# Altium PCB EPS_V2.PcbDoc (part 2 of 4) (continued)
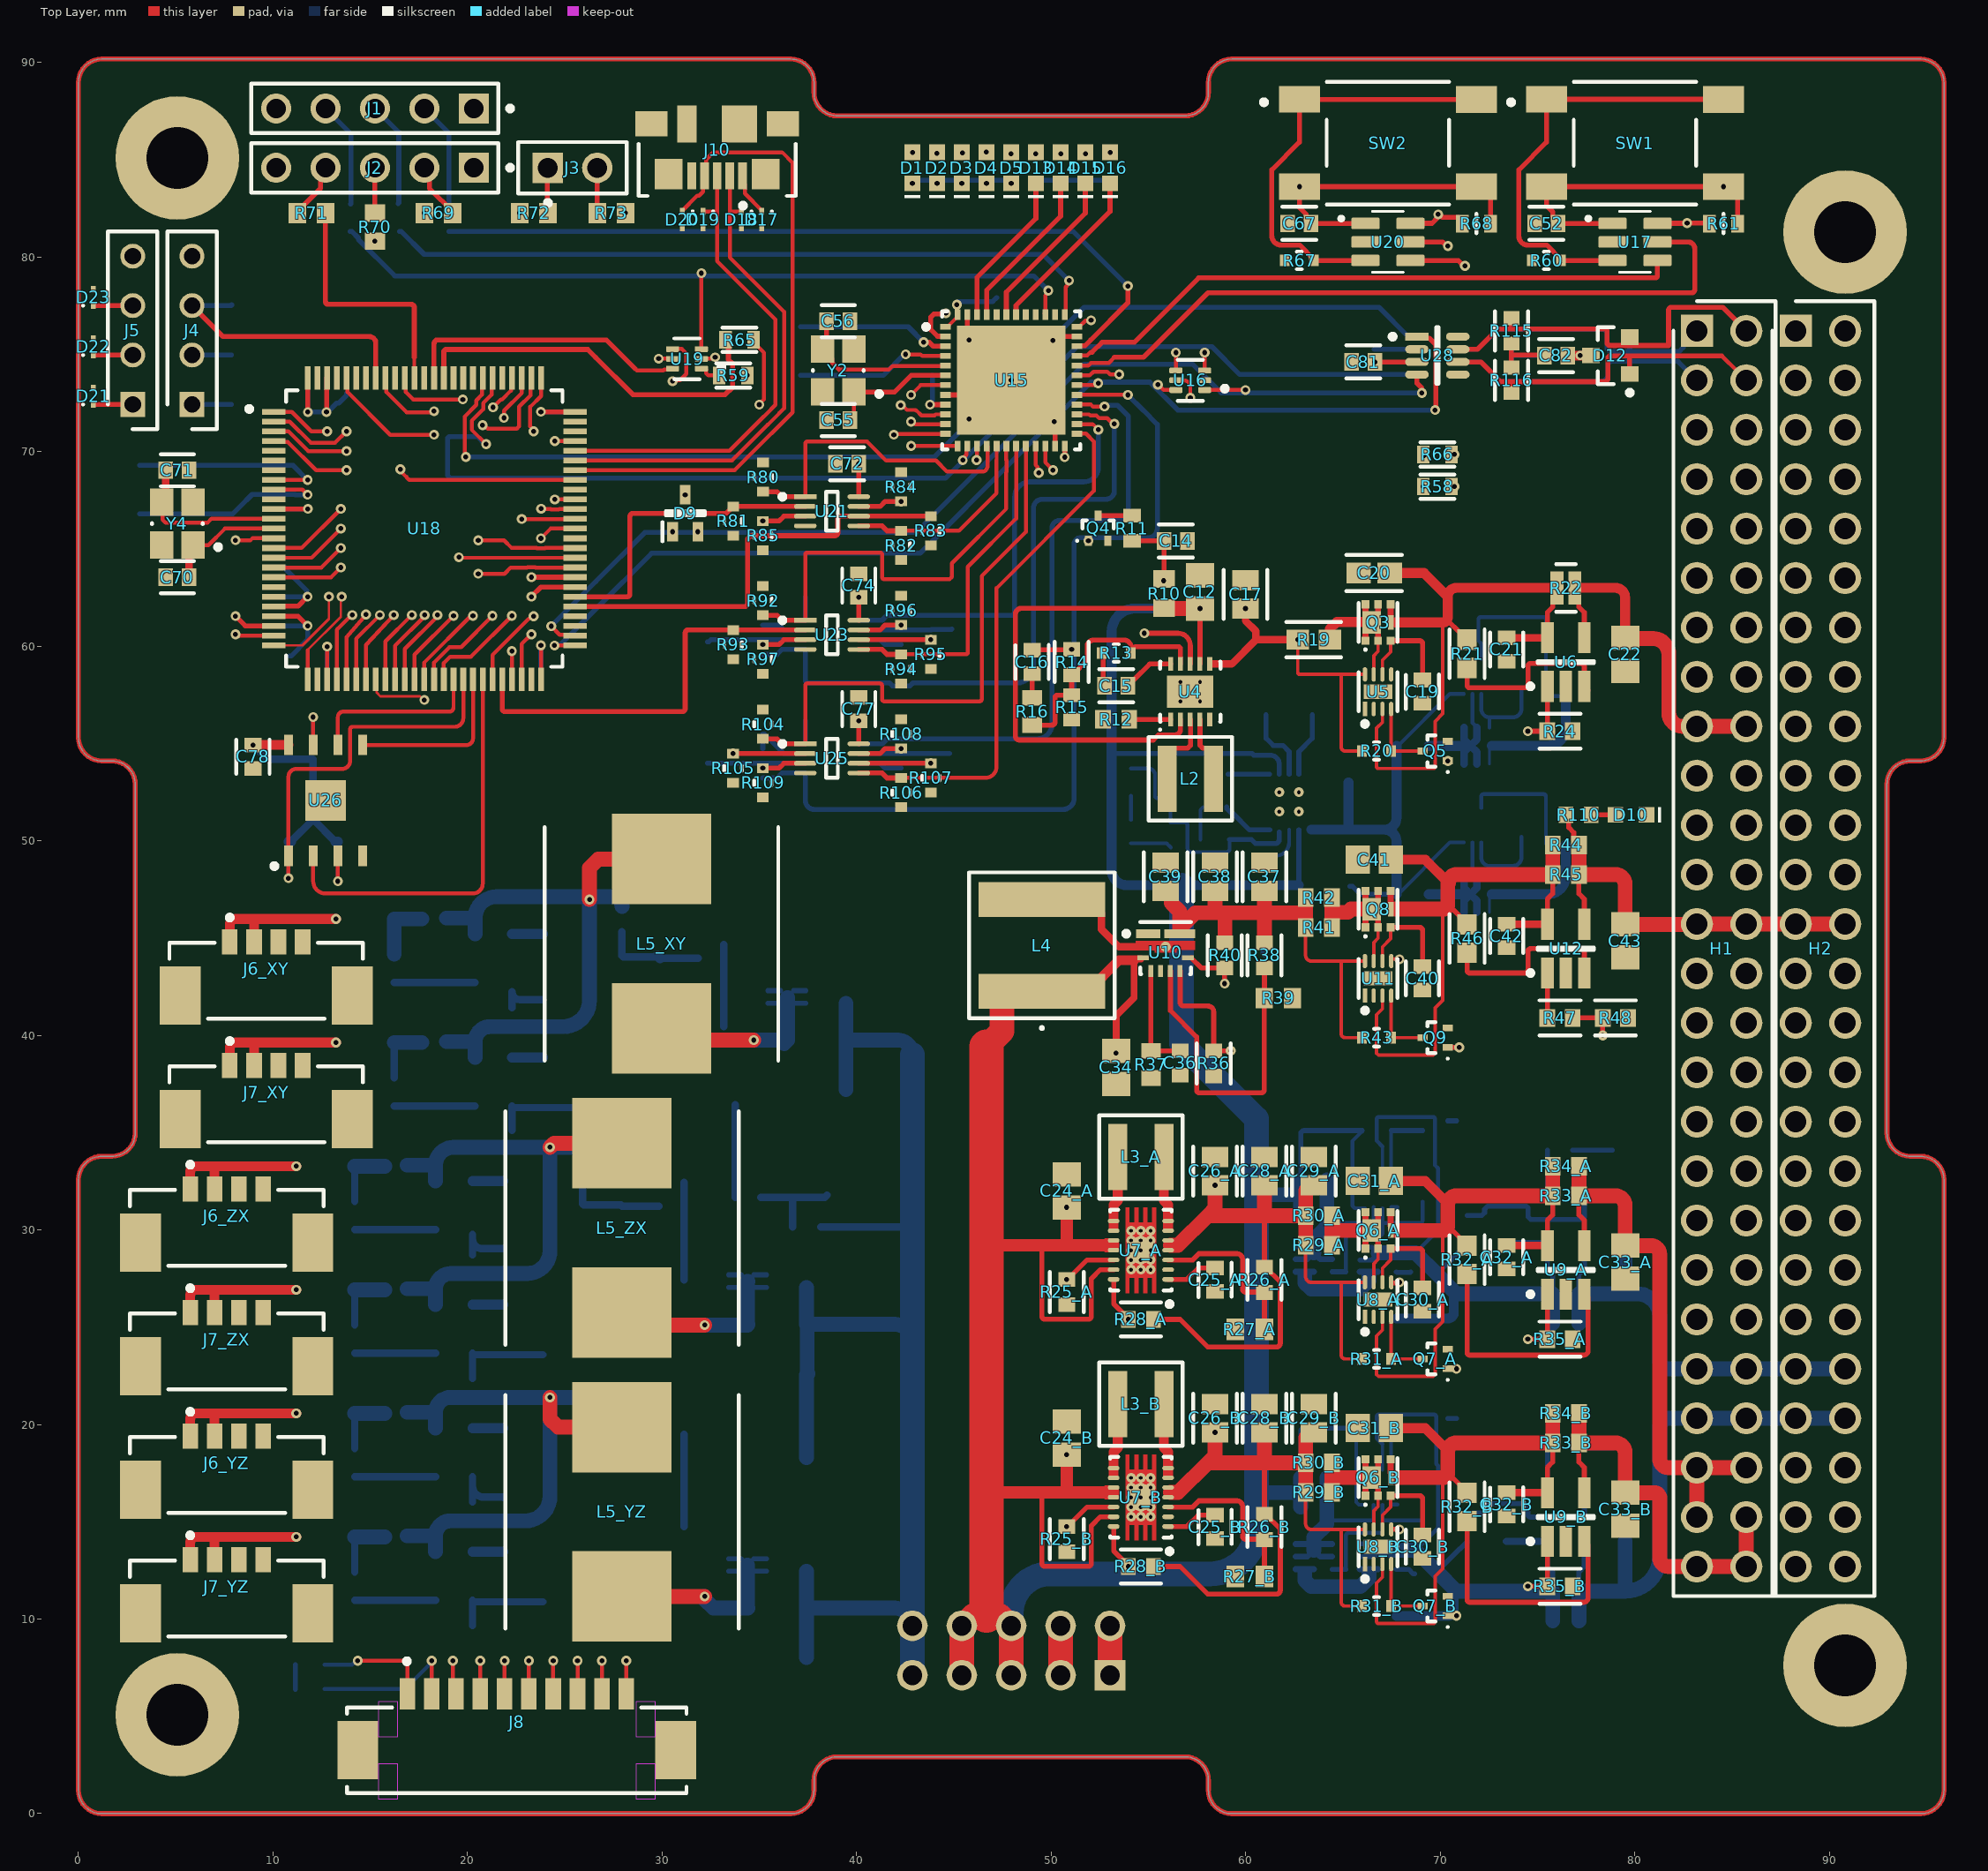
[diagram p0: Top Layer view]
## Part data (continued)
R7: library part CMP-26527-000571-1, "General Purpose Thick Film Chip Resistor, 0603, 0.5Ω, 1%, 300ppm/°C, 0.125W", Case Code (Imperial)=0603, Case Code (Metric)=1608, Max Operating Temperature=155°C, Max Power Dissipation=125mW, Min Operating Temperature=-55°C, Resistance=500mR, Resistor Type="Thick Film", Temperature Coefficient=300ppm/°C, Tolerance=1%, Case/Package=0603, Contact Plating=Tin, Height=0.022inch, Lead Free="Lead Free", Length=0.063inch, Mount="Surface Mount", Number of Terminations=2, Packaging="Tape and Reel", Power Rating=125mW, RoHS Compliant=Yes, Series=CSR, Size Code=0603, Width=0.031inch
R8: library part CMP-26527-001850-1, "General Purpose Thick Film Chip Resistor, 0603, 0.25Ω, 1%, 300ppm/°C, 0.125W", Case Code (Imperial)=0603, Case Code (Metric)=1608, Max Operating Temperature=155°C, Max Power Dissipation=125mW, Min Operating Temperature=-55°C, Resistance=250mR, Resistor Type="Thick Film", Temperature Coefficient=300ppm/°C, Tolerance=1%, Case/Package=0603, Contact Plating=Tin, Height=0.022inch, Lead Free="Lead Free", Length=0.063inch, Mount="Surface Mount", Number of Terminations=2, Packaging="Tape and Reel", RoHS Compliant=Yes, Series=CSR, Width=0.031inch
R11: library part CMP-2000-01849-1, Manufacturer="KOA Speer", Part Number=RK73B1JTTD101J
R15: library part CMP-2000-00577-1, Manufacturer=Panasonic, Part Number=ERJ-3EKF5763V
R16: library part CMP-2000-01876-1, Manufacturer="KOA Speer", Part Number=RK73B1JTTD153J
R19: library part CMP-26527-003125-1, "General Purpose Thick Film Chip Resistor, 0603, 0.2Ω, 1%, 300ppm/°C, 0.125W", Case Code (Imperial)=0603, Case Code (Metric)=1608, Max Operating Temperature=155°C, Max Power Dissipation=125mW, Min Operating Temperature=-55°C, Resistance=200mR, Resistor Type="Thick Film", Temperature Coefficient=300ppm/°C, Tolerance=1%, Case/Package=0603, Contact Plating=Tin, Height=0.022inch, Lead Free="Lead Free", Length=0.063inch, Mount="Surface Mount", Number of Terminations=2, Packaging="Tape and Reel", Radiation Hardening=No, RoHS Compliant=Yes, Series=CSR, Width=0.031inch
R21 R32_A R32_B R46 R53_M R53_N R117_XY R117_YZ R117_ZX R120_XY R120_YZ R120_ZX: library part CMP-2000-00870-2, "RES SMD 100 OHM 0.1% 1/10W 0603", Case Code (Imperial)=0603, Case Code (Metric)=1608, Max Operating Temperature=155°C, Max Power Dissipation=100mW, Min Operating Temperature=-55°C, Package Quantity=5000, Resistance=100R, Resistance Tolerance=0.1%, Resistor Type="Thin Film", Temperature Coefficient=25ppm/°C, Voltage Rating=75V, Case/Package=0603, Construction=Rectangular, Contact Plating=Tin, Depth=0.8mm, Height=0.45mm, Length=1.6mm, Military Standard=Not, Mount="Surface Mount", Number of Pins=2, Number of Terminations=2, Packaging="Tape and Reel", Power Rating=100mW, Radiation Hardening=No, REACH SVHC="No SVHC", RoHS Compliant=Yes, Series=ERA-3A, Size Code=0603, Technology="METAL FILM", Termination=SMD/SMT, Tolerance=0.1%, Width=0.8mm
R22 R118_XY R118_YZ R118_ZX R121_XY R121_YZ R121_ZX: library part CMP-28537-000948-1, "25 mOhms ±1% 0.33W Chip Resistor Wide 0306 (0816 Metric), Current Sense Thin Film", Case Code (Imperial)=0306, Case Code (Metric)=0816, Package Quantity=1000, Power Rating=330mW, Resistance=25mR, Temperature Coefficient=200ppm/°C, Tolerance=1%, Height=0.4mm, Length=1.6mm, Packaging="Tape and Reel", RoHS Compliant=Yes, Series=PRL, Technology="THIN FILM", Termination=SMD/SMT, Width=0.8mm
R24 R35_A R35_B R47 R48 R56_M R56_N R57_M R57_N R119_XY R119_YZ R119_ZX R122_XY R122_YZ R122_ZX: library part CMP-2000-00077-5, "RES SMD 4.99KOHM 0.1% 1/10W 0603", Case Code (Imperial)=0603, Case Code (Metric)=1608, Max Operating Temperature=155°C, Max Power Dissipation=100mW, Min Operating Temperature=-55°C, Package Quantity=5000, Resistance=4.99kR, Resistance Tolerance=0.1%, Resistor Type="Thin Film", Temperature Coefficient=25ppm/°C, Voltage Rating=150V, Voltage Rating (DC)=75V, Case/Package=0603, Construction=Rectangular, Contact Plating=Tin, Depth=0.8mm, Features="Automotive AEC-Q200", Height=0.45mm, Lead Free="Lead Free", Length=1.6mm, Military Standard=Not, Mount="Surface Mount", Number of Pins=2, Number of Terminations=2, Packaging="Tape and Reel", Power Rating=100mW, Radiation Hardening=No, Reach SVHC Compliant=Yes, RoHS Compliant=Yes, Series=ERA, Technology="METAL FILM", Termination=SMD/SMT, Tolerance=0.1%, Weight=7.1E-05oz, Width=0.8mm
R27_A R27_B: library part CMP-2000-01245-1, Manufacturer="KOA Speer", Part Number=RK73H1JTTD1803F
R29_A R29_B R30_A R30_B R33_A R33_B R34_A R34_B R41 R42 R44 R45 R49_M R49_N R50_M R50_N R54_M R54_N R55_M R55_N: library part CMP-2000-00867-1, Manufacturer=Panasonic, Part Number=ERJ-L03KF50MV
R37: library part CMP-2000-01698-1, Manufacturer="KOA Speer", Part Number=RK73H1JTTD8252F
R39: library part CMP-2000-00442-1, Manufacturer=Panasonic, Part Number=ERJ-3EKF3323V
R58 R59 R65 R66: library part CMP-00287-21317759-1, "ERJ-P03F1000V SMD Chip Resistor, 100 Ohm, ± 1%, 200 mW, 0603 [1608 Metric], Thick Film, Anti-Surge", Case Code (Imperial)=0603, Case Code (Metric)=1608, Max Operating Temperature=155°C, Min Operating Temperature=-55°C, Power Rating=200mW, Resistance=100Ω, Temperature Coefficient=200ppm/°C, Tolerance=1%, Voltage Rating=150V, Case/Package=0603, Composition="Thick Film", Contact Plating=Tin, Depth=800µm, Height=550µm, Length=1.6mm, Lifecycle Status=Production, Military Standard=Not, Mount="Surface Mount", NexarPartId=21317759, Number of Pins=2, Packaging="Cut Tape", Radiation Hardening=No, REACH SVHC="No SVHC", RoHS=Compliant, Schedule B="8533210045, 8533210045", Termination=Tab, Voltage Rating (DC)=150V
R61 R68 R111 R112 R124_XY R124_YZ R124_ZX R126 R127: library part CMP-2000-00875-2, Case Code (Imperial)=0603, Case Code (Metric)=1608, Max Operating Temperature=155°C, Max Power Dissipation=100mW, Min Operating Temperature=-55°C, Resistance=100kΩ, Temperature Coefficient=25ppm/°C, Tolerance=0.1%, Voltage Rating=75V, Case/Package=0603, Composition="Thin Film", Contact Plating=Tin, Depth=800µm, Features="Automotive AEC-Q200", Height=450µm, Lead Free="Lead Free", Length=1.6mm, Lifecycle Status=Production, Military Standard=Not, Mount="Surface Mount", NexarPartId=1243428, Number of Pins=2, Number of Terminations=2, Packaging="Cut Tape", Power Rating=100mW, Radiation Hardening=No, REACH SVHC="No SVHC", RoHS=Compliant, Schedule B="8533210045, 8533210045", Termination=SMD/SMT, Voltage Rating (DC)=75V, Width=800µm, Working Voltage=75V
R62 R63 R64 R69 R70 R71 R72 R73: library part CMP-2000-00538-1, Manufacturer=Panasonic, Part Number=ERJ-3EKF49R9V
R74 R75 R76 R77 R78 R110 R117 R118 R119 R120: library part CMP-2000-00435-2, "Chip Resistor, 330 Ohm, +/- 1%, 0.1 W, -55 to 155 degC, 0603 (1608 Metric), RoHS, Tape and Reel", Current Rating="500 mA", Max Operating Temperature="85 degC", Min Operating Temperature="-25 degC", Package Quantity=1500, Voltage Rating="10 V", ComponentLink1Description="Manufacturer URL", ComponentLink1URL=http://www.panasonic.com/, ComponentLink2Description=Datasheet, ComponentLink2URL=http://industrial.panasonic.com/cdbs/www-data/pdf/RDA0000/AOA0000C86.pdf, Contact Finish=Gold, Contact Material=Copper, Contact Plating=Gold, DatasheetVersion=Apr-15, Gender=Male, Height="1.45 mm", Lead Pitch="1.1 mm", Length="13.7 mm", Mating Cycles=10000, Mount="Surface Mount", PackageDescription="2-Pin Surface Mount Device, Body 1.6 x 0.85 mm", PackageReference=0603, Packaging="Tape and Reel", Pins=8, REACH SVHC="No SVHC", RoHSCompliant=true, Width="1.45 mm"
R113 R114 R115 R116: library part CMP-13261-005441-1, "Res Thick Film 0603 60.4Ω 1% 0.1W ±100ppm/°C Molded SMD T/R", Case Code (Imperial)=0603, Case Code (Metric)=1608, Max Operating Temperature=155°C, Max Power Dissipation=100mW, Min Operating Temperature=-55°C, Resistance=60.4R, Temperature Coefficient=100ppm/°C, Tolerance=1%, Voltage Rating (DC)=50V, Case/Package=0603, Composition="Thick Film", Contact Plating=Tin, Depth=0.8mm, Features="Moisture Resistant", Height=0.022inch, Lead Free="Lead Free", Length=0.063inch, Military Standard=Not, Number of Terminations=2, Packaging="Tape and Reel", Power Rating=100mW, Radiation Hardening=No, Width=0.031inch
R123_XY R123_YZ R123_ZX: library part CMP-2000-00690-5, "RES SMD 93.1K OHM 1% 1/10W 0603", Case Code (Imperial)=0603, Case Code (Metric)=1608, Max Operating Temperature=155°C, Max Power Dissipation=100mW, Min Operating Temperature=-55°C, Package Quantity=1, Resistance=93.1kR, Resistance Tolerance=1%, Resistor Type="Thick Film", Temperature Coefficient=100ppm/°C, Voltage Rating=75V, Voltage Rating (DC)=50V, Case/Package=0603, Construction=Rectangular, Contact Plating=Tin, Depth=0.8mm, Features="Automotive AEC-Q200", Height=0.022inch, Lead Free="Lead Free", Length=1.6mm, Military Standard=Not, Mount="Surface Mount", Number of Terminations=2, Packaging="Tape and Reel", Power Rating=100mW, Radiation Hardening=No, Reach SVHC Compliant=Yes, RoHS Compliant=Yes, Series=ERJ, Termination=SMD/SMT, Tolerance=1%, Weight=7.1E-05oz, Width=0.8mm
R125: library part CMP-2000-00414-2, Case Code (Imperial)=0603, Case Code (Metric)=1608, Max Operating Temperature=155°C, Max Power Dissipation=100mW, Min Operating Temperature=-55°C, Resistance=300kΩ, Temperature Coefficient=100ppm/°C, Tolerance=1%, Voltage Rating=75V, Case/Package=0603, Composition="Thick Film", Contact Plating=Tin, Depth=800µm, Features="Automotive AEC-Q200", Height=558.8µm, Lead Free="Lead Free", Length=1.6mm, Lifecycle Status=Production, Military Standard=Not, Mount="Surface Mount", NexarPartId=41621939, Number of Terminations=2, Packaging="Cut Tape", Power Rating=100mW, Radiation Hardening=No, REACH SVHC="No SVHC", RoHS=Compliant, Schedule B="8533210045, 8533210045", Termination=SMD/SMT, Voltage Rating (DC)=75V, Width=787.4µm
SW1 SW2: library part CMP-03402-000003-1, "SWITCH TACTILE SPST-NO 0.05A 24V", Contact Current Rating=50mA, Contact Resistance=100mΩ, Manufacturer="TE Connectivity", Operating Force=260gf, Package=0, Temperature="-35°C to +85°C", Temperature Range High=+85°C, Temperature Range Low=-35°C, Voltage Rating Dc=24V, Automotive=No, Category=Switch, ComponentLink2Description=Datasheet, ComponentLink2URL=https://www.te.com/commerce/DocumentDelivery/DDEController?Action=showdoc&DocId=Customer+Drawing%7F2-1437565-7%7FV%7Fpdf%7FEnglish%7FENG_CD_2-1437565-7_V.pdf%7F2-1437565-8, Device Class L1=Electromechanical, Device Class L2=Switches, Device Class L3="Pushbutton Switches", Digikey Description="SWITCH TACTILE SPST-NO 0.05A 24V", Electromechanical Life=100000Cycles, Height=4.59mm, Lead Free=Yes, Manufacturer Part Number=FSM2JSMAA, Mount="Surface Mount", Mouser Description="Tactile Switches TACTILE 260G FORCE S", Octopart=https://octopart.com/fsm2jsmaa-te+connectivity-41720620, RoHS=TRUE, Standoff Height=0.05mm, Throw Configuration=SPST-NO
U1 U4: library part CMP-0492-00076-1, "Wide Input Voltage Synchronous Buck-Boost DC/DC Converter, 10-pin SON (DD-10), -40 to 85 degC, Pb-Free", Frequency Adjust Range="300kHz - 2MHz", Manufacturer="Linear Technology", Code_JEDEC=MO-229, ComponentLink1Description="Manufacturer URL", ComponentLink1URL=http://www.linear.com/, ComponentLink2Description=Datasheet, ComponentLink2URL=http://cds.linear.com/docs/en/datasheet/3530fb.pdf, ComponentLink3Description="Package Specification", ComponentLink3URL=http://cds.linear.com/docs/en/packaging/DFN_10_05-08-1699.pdf, DatasheetVersion="Rev. B", Mounting Technology="Surface Mount", Number Of Outputs=1, PackageDescription="10-Pin Plastic DFN, Body 3 x 3 mm, Pitch 0.5 mm", PackageReference=DD-10, PackageVersion="Rev. C, 06/2010", PartNumber=LTC3530EDD#PBF, RoHS=TRUE
U2 U3 U5 U8_A U8_B U11 U13_M U13_N: library part CMP-0474-00015-2, "IC OVP/OCP PROTECTION CTLR 8DFN", Case/Package=DFN, Package Quantity=2500, Number of Circuits=1, Number of Pins=8, Packaging="Tape and Reel", RoHS Compliant=Yes
U6 U9_A U9_B U12 U14_M U14_N U29_XY U29_YZ U29_ZX U30_XY U30_YZ U30_ZX: library part CMP-0359-01984-2, "Single Channel, Low Cost, High Side Current Sense Operational Amplifier, 0.2 MHz Typical GBW, 5-Pin SOT-23 (S5-5), High Temperature / Automotive, Pb-Free, Reel", Linear Technology Part Number=LT6106, Manufacturer="Linear Technology", Channels (#)=1, Code_JEDEC=MO-193, ComponentLink1Description="Manufacturer URL", ComponentLink1URL=http://www.linear.com/, ComponentLink2Description=Datasheet, ComponentLink2URL=http://cds.linear.com/docs/en/datasheet/6106fa.pdf, ComponentLink3Description="Package Specification", ComponentLink3URL=http://cds.linear.com/docs/en/packaging/SOT_5_05-08-1635.pdf, DatasheetVersion="Rev. A", GBW (MHz) Typical=0.2, Is (mA) Typical=0.06, Mounting Technology="Surface Mount", PackageDescription="5-Lead Plastic TSOT-23, Body 1.63 x 2.90 mm, Pitch 0.95 mm", PackageReference=LT-S5-5-TSOT-23, Packing=Reel, PartNumber=LT6106HS5#TRPBF, RevisionNote="URLs updated", RoHS=Pb-Free, Type=CSA, Vos (mV) Guaranteed=0.25, Vos (mV) Typical=0.15, Vs Max (V)=36, Vs Min (V)=2.7
U7_A U7_B: library part CMP-04918-000114-1, "IC REG BCK BST ADJ 3.5A 14VSON", Manufacturer="Texas Instruments", Max Junction Temp=+125°C, Max Supply Voltage=5.5V, Min Supply Voltage=1.8V, Nominal Supply Current=5-25uA, Output Current=2A, Output Voltage=1.2-5.5V, Package=DSJ0014A, Switching Frequency=2400kHz, Temperature="-40°C to +125°C", Temperature Range Low=-40°C, Automotive=Yes, Automotive Grade="Grade 1", Category=IC, ComponentLink2Description=Datasheet, ComponentLink2URL=http://www.ti.com/lit/ds/symlink/tps63020-q1.pdf, Device Class L1="Integrated Circuits (ICs)", Device Class L2="Power Management ICs", Device Class L3="Voltage Regulators - Switching", Digikey Description="IC REG BCK BST ADJ 3.5A 14VSON", Height=1mm, Lead Free=Yes, Manufacturer Part Number=TPS63020QDSJRQ1, Max Duty Cycle=100%, Mouser Description="Switching Voltage Regulators Single Inductor Buck Boost Converter", Number Of Outputs=1, Octopart=https://octopart.com/tps63020qdsjrq1-texas+instruments-66805608, Output Type=AdjustableProgrammable, RoHS=TRUE, Standoff Height=0mm, Switching Topology=Buck-Boost, Temperature Range High=+125°C
U10: library part CMP-04918-000693-1, "IC REG BOOST 5.1V 6.5A 9VQFN", Case/Package=VQFN, Max Input Voltage=4.5V, Max Operating Temperature=85°C, Min Input Voltage=2.3V, Min Operating Temperature=-40°C, Min Output Voltage=5.1V, Output Current=6.5A, Quiescent Current=10uA, Switching Frequency=1MHz, Lead Free="Lead Free", Mount="Surface Mount", Number Of Outputs=1, Number of Pins=9, Output Configuration=Positive, Output Type=Fixed, Packaging="Cut Tape", RoHS Compliant=Yes, Synchronous Rectifier=Yes, Topology=Boost
U15: library part CMP-12105-000040-2, "IC MCU 32BIT 512KB FLASH 48QFPN", Ambient Temperature Range High=85°C, Frequency=80MHz, Max Junction Temperature (Tj)=105°C, Max Supply Voltage=3.6V, Min Operating Temperature=-40°C, Min Supply Voltage=1.71V, Nominal Supply Current=30nA, Core Architecture="ARM Cortex-M4", Data Bus Width=32b, Flash Memory Size=512kB, Height=650µm, Interface="CAN, I2C, SPI, UART, USART, USB", Lifecycle Status=Production, Max Operating Temperature=85°C, Memory Size=512kB, Memory Type=FLASH, NexarPartId=78661784, Number of A/D Converters=1, Number of ADC Channels=10, Number of Channels=10, Number of D/A Converters=1, Number of I2C Channels=4, Number of I/Os=38, Number of PWM Channels=15, Number of SPI Channels=3, Number of Timers/Counters=1, Number of UART Channels=1, Number of USART Channels=3, Number of USB Channels=1, RAM Size=160kB, RoHS=Non-Compliant
U16 U19: library part CMP-0859-00812-4, "IC BUFFER NON-INVERT 5.5V 6SOT", Case/Package=SOT, High Level Output Current=-32mA, Low Level Output Current=32mA, Max Operating Temperature=125°C, Max Supply Voltage=5.5V, Min Operating Temperature=-40°C, Min Supply Voltage=1.65V, Package Quantity=4000, Quiescent Current=10uA, Contact Plating=Gold, Lead Free="Lead Free", Logic Function=Buffer, Mount="Surface Mount", Number of Bits=2, Number of Bits per Element=1, Number of Channels=2, Number of Elements=2, Number of Gates=2, Number of Input Lines=2, Number Of Inputs=2, Number of Output Lines=2, Number Of Outputs=2, Number of Pins=6, Packaging="Tape and Reel", Polarity=Non-Inverting, Propagation Delay=8.6ns, Radiation Hardening=No, REACH SVHC="No SVHC", RoHS Compliant=Yes, Series=74LVC, Technology=CMOS, Turn-On Delay Time=8.6ns
U17 U20: library part CMP-049-000000-1, "Automotive AEC-Q100, nano-powered system timer with watchdog function", Package="SOT-23-THN-6 Texas Instruments", Check_prices=https://www.snapeda.com/parts/TPL5010QDDCTQ1/Texas+Instruments/view-part/?ref=eda, Component Type=Standard, Design Item ID=TPL5010QDDCTQ1, MF="Texas Instruments", MP=TPL5010QDDCTQ1, Pin Count=6, SnapEDA_Link=https://www.snapeda.com/parts/TPL5010QDDCTQ1/Texas+Instruments/view-part/?ref=snap, Source=TPL5010QDDCTQ1.SchLib
U18: library part CMP-12105-000032-1, "IC MCU 32BIT 1MB FLASH 100LQFP", Ambient Temperature Range High=+85°C, Ambient Temperature Range Low=-40°C, Frequency=80MHz, Manufacturer=STMicroelectronics, Max Junction Temp=+105°C, Max Supply Voltage=3.6V, Min Supply Voltage=1.05V, Package=LQFP100-1L, Temperature="-40°C to +85°C", Automotive=No, Category=IC, ComponentLink2Description=Datasheet, ComponentLink2URL=https://www.st.com/content/ccc/resource/technical/document/datasheet/group3/3f/73/19/d1/d4/9e/48/34/DM00284211/files/DM00284211.pdf/jcr:content/translations/en.DM00284211.pdf, Core Architecture="ARM Cortex-M4", Data Bus Width=32bits, Device Class L1="Integrated Circuits (ICs)", Device Class L2="Embedded Processors and Controllers", Device Class L3=Microcontrollers, Digikey Description="IC MCU 32BIT 1MB FLASH 100LQFP", Height=1.6mm, Interface=I2C,SPI,UART,USART,CAN,USB,LIN,IrDA,Other, Lead Free=Yes, Manufacturer Part Number=STM32L496VGT6, Memory Size=1MBytes, Memory Type=FLASH,SRAM, Number of A/D Converters=3, Number of ADC Channels=16, Number Of Cores=1, Number of I2C Channels=4, Number of I/Os=83, Number of PWM Channels=2, Number of SPI Channels=3, Number of Timers/Counters=16, Number of UART Channels=6, Number of USB Channels=1, Octopart=https://octopart.com/stm32l496vgt6-stmicroelectronics-80826723, RAM Size=320KBytes, RoHS=TRUE, Standoff Height=0.05mm, Temperature Range High=+85°C, Temperature Range Low=-40°C
U21 U22 U23 U24 U25: library part CMP-0859-00599-4, "IC GATE OR 2CH 2-INP 8VSSOP", Case/Package=VSSOP, High Level Output Current=-32mA, Low Level Output Current=32mA, Max Operating Temperature=125°C, Max Supply Voltage=5.5V, Min Operating Temperature=-40°C, Min Supply Voltage=1.65V, Operating Supply Voltage=3.3V, Package Quantity=1, Quiescent Current=10uA, Contact Plating=Gold, Lead Free="Lead Free", Logic Function="OR GATE", Max Output Current=32mA, Mount="Surface Mount", Number of Bits=2, Number of Circuits=2, Number of Elements=2, Number of Gates=2, Number of Input Lines=2, Number Of Inputs=2, Number of Output Lines=1, Number Of Outputs=1, Number of Pins=8, Output Current=32mA, Packaging="Tape and Reel", Propagation Delay=3.2ns, Radiation Hardening=No, REACH SVHC="No SVHC", RoHS Compliant=Yes, Series=74LVC, Technology=CMOS, Termination=SMD/SMT, Turn-On Delay Time=3.2ns, Weight=0.000339oz
U26: "Integrated Circuit", Manufacturer_Name="Everspin Technologies", Mouser Part Number=936-MR25H40MDF, Arrow Part Number=MR25H40MDF, Arrow Price/Stock=https://www.arrow.com/en/products/mr25h40mdf/everspin-technologies?utm_currency=USD&region=europe, Datasheet Link=https://datasheet.datasheetarchive.com/originals/distributors/Datasheets-DGA23/1514724.pdf, Height=0.9mm, Manufacturer_Part_Number=MR25H40MDF, Mouser Price/Stock=https://www.mouser.co.uk/ProductDetail/Everspin-Technologies/MR25H40MDF?qs=laR3Dyet2Vc5UBOlfE70WA%3D%3D
U27 U28: library part CMP-04872-000198-1, "IC TRANSCEIVER 1/1 SOT23-8", Case/Package=SOT-23, Max Operating Temperature=125°C, Max Supply Voltage=3.6V, Min Operating Temperature=-40°C, Min Supply Voltage=3V, Interface=CAN, Lead Free="Lead Free", Number of Pins=8, Packaging="Cut Tape", REACH SVHC="No SVHC", RoHS Compliant=Yes
U31_XY U31_YZ U31_ZX U33: library part CMP-04895-000170-1, "IC CMOS 1 CIRCUIT SC70-5", Max Operating Temperature=125°C, Min Operating Temperature=-40°C, Gain Bandwidth Product=3MHz, Lead Free="Lead Free", Number of Channels=1, Number of Pins=5, RoHS Compliant=Yes
U32_XY U32_YZ U32_ZX: "Integrated Circuit", Manufacturer_Name="Texas Instruments", Mouser Part Number=595-CSD17318Q2, Arrow Part Number=CSD17318Q2, Arrow Price/Stock=https://www.arrow.com/en/products/csd17318q2/texas-instruments?utm_currency=USD&region=nac, Datasheet Link=https://www.ti.com/lit/ds/symlink/csd17318q2.pdf?ts=1704287484498&ref_url=https%253A%252F%252Fwww.ti.com%252Fproduct%252FCSD17318Q2, Height=0.8mm, Manufacturer_Part_Number=CSD17318Q2, Mouser Price/Stock=https://www.mouser.co.uk/ProductDetail/Texas-Instruments/CSD17318Q2?qs=HXFqYaX1Q2yFLkhHL33iLQ%3D%3D
Y1 Y3: library part CMP-200220-000018-1, "CRYSTAL 32.7680KHZ 6PF SMD", Case/Package=SMD/SMT, ESR (Equivalent Series Resistance)=70kR, Frequency=32.768kHz, Load Capacitance=6pF, Max Operating Temperature=85°C, Min Operating Temperature=-40°C, Ratings=AEC-Q200, Mount="Surface Mount", Packaging="Tape and Reel"
Y2 Y4: library part CMP-200220-000007-1, "CRYSTAL 16.0000MHZ 8PF SMD", Case/Package=SMD/SMT, ESR (Equivalent Series Resistance)=80R, Frequency=16MHz, Frequency Stability=30ppm, Frequency Tolerance=20ppm, Load Capacitance=8pF, Max Operating Temperature=85°C, Min Operating Temperature=-40°C, Package Quantity=3000, Height=0.035inch, Length=0.126inch, Mount="Surface Mount", Number of Pins=4, Packaging="Tape and Reel", Width=0.098inch

## Free pads (board coordinates)
  round 6.35 hole 3.18: 1(5.08,85.09) 2(90.81,81.28) 3(90.81,7.62) 4(5.08,5.08)

## Via types
v1: diameter 0.508, hole 0.254, Top Layer to Signal, 73 vias
v2: diameter 0.508, hole 0.254, Top Layer to Bottom Layer, 52 vias
v3: diameter 0.508, hole 0.254, Top Layer to GND1, 48 vias
v4: diameter 0.5, hole 0.2, Top Layer to Bottom Layer, 38 vias
v5: diameter 0.508, hole 0.254, Signal to Bottom Layer, 27 vias
v6: diameter 0.508, hole 0.254, PWR to Bottom Layer, 18 vias
v7: diameter 0.508, hole 0.254, Top Layer to GND2, 12 vias
v8: diameter 0.508, hole 0.254, Top Layer to PWR, 11 vias
v9: diameter 0.508, hole 0.254, GND2 to Bottom Layer, 10 vias
v10: diameter 0.508, hole 0.254, GND1 to Bottom Layer, 9 vias
v11: diameter 0.483, hole 0.254, Top Layer to GND1, 5 vias
v12: diameter 0.483, hole 0.254, Top Layer to Bottom Layer, 2 vias

## Nets (pads, with @x,y where several pads share a name; then routed paths per layer and width w, separated by ;. In a path a pad name is that pad's centre, name@x,y a point inside that pad or via, vN(x,y) a via of type N, cw(c..) or ccw(c..) an arc to the next point about the centre after c; other vN are vias at no path point)
3V3_1: C33_A.2 H1.47 H1.48 H1.49 R33_A.2 R34_A.2 U9_A.4 | length 28.4
  Top Layer w0.254: R33_A.2@77.129,31.75 77.129,30.765 77.404,30.49 U9_A.4@77.404,29.19
  Top Layer w0.762: R33_A.2@77.129,31.75 R34_A.2@77.129,33.274 ; R33_A.2@77.404,31.75 79.002,31.75 cw(c79.002,31.25) 79.502,31.25 C33_A.2@79.502,29.19 80.834,29.19 cw(c80.834,28.744) 81.28,28.744 81.28,18.226 ccw(c81.726,18.226) 81.726,17.78 H1.47@83.19,17.78 ; H1.49@83.19,15.24 H1.47@83.19,17.78 ; H1.48@85.73,17.78 H1.47@83.19,17.78
3V3_2: C33_B.2 H1.50 H1.51 H1.52 R33_B.2 R34_B.2 U9_B.4 | length 22.2
  Top Layer w0.254: R33_B.2@77.129,19.05 77.129,18.065 77.404,17.79 U9_B.4@77.404,16.49
  Top Layer w0.762: R33_B.2@77.129,19.05 R34_B.2@77.129,20.574 ; R33_B.2@77.404,19.05 79.002,19.05 cw(c79.002,18.55) 79.502,18.55 C33_B.2@79.502,16.49 ; 80.834,16.49 C33_B.2@79.502,16.49 ; H1.50@85.73,15.24 H1.52@85.73,12.7 H1.51@83.19,12.7 81.726,12.7 cw(c81.726,13.146) 81.28,13.146 81.28,16.224 ccw(c81.014,16.224) 81.014,16.49 C33_B.2@79.502,16.49
5V0: C43.2 H1.25 H1.26 H2.25 H2.26 R44.2 R45.2 R110.1 U12.4 | length 21.5
  Top Layer w0.254: R110.1@76.454,51.334 76.603,51.185 76.603,50.677 76.86,50.42 R44.2@76.86,50.053 ; R45.2@77.129,48.26 77.129,47.275 77.404,47 U12.4@77.404,45.7
  Top Layer w0.762: R45.2@77.129,48.26 R44.2@77.129,49.784 ; R45.2@77.404,48.26 79.002,48.26 cw(c79.002,47.76) 79.502,47.76 C43.2@79.502,45.7 H1.25@83.329,45.7 ; H1.25@83.19,45.72 H1.26@85.73,45.72 H2.25@88.27,45.72 H2.26@90.81,45.72
5V_INACT: R40.2 U10.8 | length 2.7
  Top Layer w0.254: U10.8@57.203,43.973 57.717,43.459 R40.2@58.928,43.459 58.915,43.446 v1(58.915,42.657)
5V_OCP-PG: U11.5 | length 0.3
  Top Layer w0.203: 67.602,43.926 v1@67.802,43.926
  Top Layer w0.254: v1@67.802,43.926 67.823,43.905 v1(67.902,43.905)
ADC1_IN5: R35_A.1 U9_A.1 U18.23 | length 109.1
  Top Layer w0.254: v7(8.075,61.54) 8.575,61.04 U18.23@10.03,61.04 ; v7(74.5,24.384) R35_A.1@75.504,24.384 U9_A.1@75.504,26.69 U9_A.1@75.486,26.708
  GND2 w0.254: v7(8.075,61.54) 10.343,59.272 74.799,59.272 cw(c74.799,58.307) 75.764,58.307 75.764,25.648 v7(74.5,24.384)
ADC1_IN6: R24.1 U6.1 U18.24 | length 75.3
  Top Layer w0.203: v7(8.075,60.609) 8.157,60.609 8.227,60.54 U18.24@10.03,60.54
  Top Layer w0.254: v7(74.5,55.626) R24.1@75.504,55.626 U6.1@75.504,57.932 U6.1@75.486,57.95
  GND2 w0.254: v7(8.075,60.609) 9.908,58.776 73.674,58.776 cw(c73.674,57.951) 74.5,57.951 v7(74.5,55.626)
ADC1_IN7: R122_YZ.1 U18.25 U30_YZ.1 | length 65.4
  Top Layer w0.127: U18.25@10.03,60.04 11.513,60.04 12.872,61.399 v1(12.872,62.54)
  Signal w0.203: v1(12.872,62.54) 12.872,60.67 14.283,59.259 14.283,57.236 14.283,39.849 14.28,39.846 14.28,15.632 v5(20.254,9.658)
  Bottom Layer w0.381: v5(20.254,9.658) U30_YZ.1@20.254,10.958 20.328,10.884 R122_YZ.1@23.876,10.884
ADC1_IN8: R119_YZ.1 U18.26 U29_YZ.1 | length 57.6
  Top Layer w0.127: 11.78,59.798 13.484,61.502 13.484,62.491 v1(13.533,62.54)
  Top Layer w0.203: U18.26@11.78,58.29 11.78,59.798
  Signal w0.203: v1(13.533,62.54) 13.484,62.491 13.484,60.705 14.778,59.411 14.778,57.236 14.778,21.485 v5(20.254,16.008)
  Bottom Layer w0.381: v5(20.254,16.008) U29_YZ.1@20.254,16.833 ; U29_YZ.1@20.254,17.308 U29_YZ.1@20.254,16.833 ; R119_YZ.1@21.844,16.241 21.817,16.268 20.819,16.268 cw(c20.819,16.833) U29_YZ.1@20.254,16.833
ADC1_IN9: R122_ZX.1 U18.29 U30_ZX.1 | length 50.4
  Top Layer w0.127: 13.288,59.986 13.288,59.994
  Top Layer w0.203: U18.29@13.28,58.29 13.28,59.383 13.288,59.391 13.288,59.986 ; 13.288,59.994 13.288,60.394 13.28,60.402 13.28,60.803 cw(c13.479,60.76) 13.334,60.903 13.971,61.54 cw(c14.115,61.396) v1(14.072,61.595)
  Signal w0.203: v1(14.072,61.595) 14.072,60.763 15.276,59.56 15.276,57.236 15.276,27.337 v5(20.254,22.358)
  Bottom Layer w0.381: v5(20.254,22.358) U30_ZX.1@20.254,23.658 20.328,23.584 R122_ZX.1@23.876,23.584
ADC1_IN10: R119_ZX.1 U18.30 U29_ZX.1 | length 42
  Top Layer w0.203: U18.30@13.78,58.29 13.78,60.459 v1(14.783,61.622)
  Signal w0.203: v1(14.783,61.622) 14.783,61.539 14.623,61.379 14.623,60.856 15.771,59.708 15.771,33.191 v5(20.254,28.708)
  Bottom Layer w0.381: v5(20.254,28.708) U29_ZX.1@20.254,29.533 ; U29_ZX.1@20.254,29.771 U29_ZX.1@20.254,29.533 ; R119_ZX.1@21.844,29.032 20.756,29.032 cw(c20.756,29.533) U29_ZX.1@20.254,29.533
ADC1_IN11: R122_XY.1 U18.31 U30_XY.1 | length 38.1
  Top Layer w0.127: U18.31@14.28,58.29 U18.31@14.286,58.296
  Top Layer w0.203: U18.31@14.286,58.296 14.286,60.387 v1(15.495,61.595)
  Signal w0.203: v1(15.495,61.595) 15.495,61.513 15.342,61.36 15.342,60.712 16.271,59.782 16.271,57.236 16.271,41.103 v5@22.269,35.105
  Bottom Layer w0.381: v5(22.286,35.122) U30_XY.1@22.286,36.358 22.36,36.284 R122_XY.1@25.908,36.284
ADC1_IN12: R119_XY.1 U18.32 U29_XY.1 | length 29.3
  Top Layer w0.127: U18.32@14.78,58.29 U18.32@14.78,58.827
  Top Layer w0.203: U18.32@14.78,58.827 14.78,60.063 v1(16.206,61.595)
  Signal w0.203: v1(16.206,61.595) 16.206,61.513 16.053,61.36 16.053,60.722 16.774,60.001 16.774,46.92 v5(22.286,41.408)
  Bottom Layer w0.381: v5(22.286,41.408) 22.286,42.233 ccw(c22.686,42.233) 22.686,41.833 R119_XY.1@23.876,41.833
ADC1_IN13: C87_YZ.1 U18.33 U31_YZ.3 U31_YZ.4 | length 56.5
  Top Layer w0.127: U18.33@15.28,58.29 15.321,58.249 15.321,57.622 15.52,57.423 17.555,57.423 v1@17.742,57.236
  Top Layer w0.381: v1@17.742,57.236 17.746,57.233 v1(17.78,57.233)
  Signal w0.203: v1(17.78,57.233) 19.078,57.233 20.28,56.031 20.28,45.47 23.382,42.368 23.382,19.721 23.605,19.498 v5(31.13,19.498)
  Bottom Layer w0.381: C87_YZ.1@31.13,14.758 U31_YZ.4@31.13,16.284 U31_YZ.3@31.13,18.484 v5(31.13,19.498)
ADC1_IN14: C87_ZX.1 U18.34 U31_ZX.3 U31_ZX.4 | length 45.4
  Top Layer w0.127: v1@17.083,61.547 v1(17.133,61.597)
  Top Layer w0.203: U18.34@15.78,58.29 15.78,60.244 v1@17.083,61.547
  Signal w0.203: v1(17.133,61.597) 17.135,61.595 17.135,60.933 17.777,60.291 17.777,59.723 20.264,57.236 24.552,52.949 24.552,36.38 28.486,32.446 v5(31.13,32.446)
  Bottom Layer w0.381: C87_ZX.1@31.13,27.426 U31_ZX.4@31.13,29.008 U31_ZX.3@31.13,31.208 v5(31.13,32.446)
ADC1_IN15: C87_XY.1 U18.35 U31_XY.3 U31_XY.4 | length 31.5
  Top Layer w0.127: U18.35@16.28,58.29 16.349,58.359 U18.35@16.28,58.428
  Top Layer w0.203: U18.35@16.28,58.428 16.28,60.026 17.795,61.541 v1(17.795,61.595)
  Signal w0.203: v1(17.795,61.595) 17.795,61 21.56,57.236 33.162,45.634 v5(33.162,44.655)
  Bottom Layer w0.381: C87_XY.1@33.162,40.449 U31_XY.4@33.162,41.764 U31_XY.3@33.162,43.964 v5(33.162,44.655)
ADC1_IN16: C97.1 U18.36 U33.3 U33.4 | length 40.4
  Top Layer w0.127: U18.36@16.78,58.29 16.863,58.373 U18.36@16.78,58.457 ; v1@18.456,61.526 v1(18.456,61.595)
  Top Layer w0.203: U18.36@16.78,58.457 16.78,59.85 v1@18.456,61.526
  Signal w0.203: v1(18.456,61.595) 18.486,61.565 18.486,61.036 33.835,45.687 33.835,36.662 33.811,36.638 33.811,36.476 v5(33.767,36.433)
  Bottom Layer w0.381: U33.3@33.767,31.666 U33.4@33.767,33.866 C97.1@33.767,35.58 v5(33.767,36.433)
ADC3_IN1: R56_N.2 R57_N.1 U18.15 | length 122.1
  Top Layer w0.203: U18.15@10.03,65.04 11.473,65.04 v7(13.484,67.051)
  GND2 w0.254: v7(13.484,67.051) 79.472,67.051 cw(c79.472,65.781) 80.742,65.781 80.742,20.686 v9(78.852,18.796)
  Bottom Layer w0.254: R56_N.2@76.805,18.796 v9(78.852,18.796)
ADC3_IN2: R56_M.2 R57_M.1 U18.16 | length 103.9
  Top Layer w0.203: U18.16@10.03,64.54 11.984,64.54 v7(13.484,66.04)
  GND2 w0.254: v7(13.484,66.04) 78.352,66.04 cw(c78.352,64.89) 79.502,64.89 79.502,34.686 v9(78.852,34.036)
  Bottom Layer w0.254: R56_M.2@76.805,34.086 R57_M.1@78.852,34.086
ADC3_IN3: R47.2 R48.1 U18.17 | length 95.9
  Top Layer w0.203: U18.17@10.03,64.04 12.484,64.04 v7(13.484,65.04)
  Top Layer w0.254: R47.2@76.805,40.894 R48.1@78.352,40.894 v7(78.352,39.994)
  GND2 w0.254: v7(13.484,65.04) 77.543,65.04 cw(c77.543,64.231) 78.352,64.231 v7(78.352,39.994)
ADC3_IN4: R35_B.1 U9_B.1 U18.18 | length 123.8
  Top Layer w0.203: U18.18@10.03,63.54 12.984,63.54 v7(13.484,64.04)
  Top Layer w0.254: v7(74.5,11.684) R35_B.1@75.504,11.684 U9_B.1@75.504,13.99 U9_B.1@75.486,14.008
  GND2 w0.254: v7(13.484,64.04) 76.454,64.04 cw(c76.454,63.346) 77.148,63.346 77.148,14.332 v7(74.5,11.684)
ADC_SR1: J8.7 U15.10 | length 86.1
  Top Layer w0.203: J8.7@24.405,6.157 v3(24.405,7.859) ; v3(42.263,72.382) 42.346,72.382 42.591,72.137 43.042,72.137 43.066,72.113 43.328,71.851 44.001,71.851 44.06,71.91 U15.10@44.57,71.91
  GND1 w0.254: v3(24.405,7.859) 28.644,12.098 33.457,12.098 45.99,24.631 45.99,61.265 39.223,68.033 39.223,71.945 39.66,72.382 v3(42.263,72.382)
ADC_SR2: J8.8 U15.11 | length 83.5
  Top Layer w0.203: J8.8@25.655,6.157 v3(25.655,7.859) ; v3(42.795,71.54) 42.877,71.54 43.007,71.41 43.066,71.41 U15.11@44.57,71.41
  GND1 w0.254: v3(25.655,7.859) 27.963,10.167 33.302,10.167 47.195,24.06 47.195,61.598 41.008,67.785 41.008,71.421 41.127,71.54 v3(42.795,71.54)
ADC_SR3: J8.9 U15.14 | length 77.7
  Top Layer w0.203: J8.9@26.905,6.157 v3(26.905,7.859) ; v3(45.455,69.556) 45.455,69.638 45.65,69.833 45.65,70.24 U15.14@45.695,70.285
  GND1 w0.254: v3(26.905,7.859) 28.021,8.974 33.79,8.974 48.306,23.49 48.306,66.112 45.455,68.963 v3(45.455,69.556)
ADC_SR4: J8.10 U15.15 | length 78.2
  Top Layer w0.203: J8.10@28.155,6.157 v3(28.155,7.859) ; v3(46.166,69.565) 46.181,69.579 46.181,70.271 U15.15@46.195,70.285
  GND1 w0.254: v3(28.155,7.859) 34.455,7.859 49.657,23.061 49.657,66.094 46.195,69.556 46.186,69.565 v3(46.166,69.565)
CAN1_RX: U18.81 U27.1 | length 61.5
  Top Layer w0.203: v2@20.941,70.394 20.214,71.121 20.214,71.584 20.802,72.172 20.802,72.484 21.232,72.914 21.232,73.742 U18.81@21.28,73.79
  Bottom Layer w0.254: v2(20.955,70.381) 20.898,70.381 20.521,70.757 19.085,70.757 ccw(c19.085,70.638) 18.966,70.638 18.966,68.773 19.115,68.624 26.584,68.624 44.561,68.624 45.492,69.556 51.335,75.399 52.049,75.399 58.252,75.399 59.696,73.955 U27.1@68.8,73.955
CAN1_TX: U18.82 U27.4 | length 57.2
  Top Layer w0.203: v2(19.911,69.72) 19.853,69.779 19.853,71.797 20.446,72.391 20.446,72.632 20.735,72.92 20.735,73.745 U18.82@20.78,73.79
  Bottom Layer w0.254: v2(19.911,69.72) 26.584,69.72 43.066,69.72 43.997,69.72 51.687,77.41 52.049,77.41 66.856,77.41 68.361,75.905 U27.4@68.8,75.905
CAN2_RX: U18.51 U28.1 | length 57
  Top Layer w0.203: v5(24.468,60.031) 24.472,60.036 25.451,60.036 U18.51@25.466,60.051
  Top Layer w0.254: U28.1@68.8,75.905 68.874,75.831 69.433,75.831 69.774,75.49 69.774,72.175 v1(69.733,72.134)
  Bottom Layer w0.254: v5(24.468,60.031) 24.517,60.08 24.766,60.08 26.584,61.898 29.461,64.775 43.26,64.775 48.041,69.556 52.049,73.564 55.075,73.564 56.505,72.134 v1(69.733,72.134)
  other v1: 24.468,60.031
  other v5: 69.733,72.134
CAN2_TX: U18.52 U28.4 | length 53.4
  Top Layer w0.203: v1(24.3,61.026) 24.741,60.585 25.485,60.585 U18.52@25.53,60.54
  Top Layer w0.254: U28.4@68.8,73.955 68.8,73.512 69.053,73.259 v1(69.053,73.013)
  Bottom Layer w0.254: v1(24.3,61.026) 26.584,63.31 29.112,65.838 43.043,65.838 46.761,69.556 51.694,74.489 52.049,74.489 57.266,74.489 58.742,73.013 v1(69.053,73.013)
  other v5: 24.3,61.026 69.053,73.013
CAN_A_H: D11.2 H1.3 R113.1 U27.7 | length 15.2
  Bottom Layer w0.254: U27.7@70.9,74.605 72.085,74.605 73.101,73.588 73.66,73.588 ; R113.1@73.66,73.009 73.66,73.588 ; D11.2@79.733,73.993 79.733,74.638 ; H1.3@83.19,73.66 82.212,74.638 79.733,74.638 ; 73.66,73.588 78.387,73.588 78.608,73.809 78.608,74.489 78.757,74.638 79.733,74.638
CAN_A_L: D11.1 H1.1 R114.2 U27.6 | length 15.5
  Bottom Layer w0.254: U27.6@70.9,75.255 71.912,75.255 72.929,76.272 73.66,76.272 78.426,76.272 78.575,76.123 78.575,75.282 78.724,75.133 79.733,75.133 ; 73.66,76.297 R114.2@73.66,76.851 ; D11.1@79.74,75.88 79.74,75.14 79.733,75.133 ; H1.1@83.208,76.068 83.058,76.068 82.492,75.502 82.492,75.352 82.467,75.327 82.273,75.133 79.733,75.133
CAN_B_H: D12.2 H1.2 R115.1 U28.7 | length 19.3
  Top Layer w0.254: U28.7@70.9,75.255 71.912,75.255 72.959,76.302 73.647,76.302 ; R115.1@73.647,76.889 73.647,76.302 ; D12.2@79.74,75.88 79.728,75.868 79.728,75.448 ; H1.2@85.654,76.276 84.518,77.412 81.884,77.412 ccw(c81.884,77.263) 81.735,77.263 81.735,75.448 79.728,75.448 ; 73.647,76.302 78.426,76.302 cw(c78.426,76.153) 78.575,76.153 78.575,75.597 ccw(c78.724,75.597) 78.724,75.448 79.728,75.448
CAN_B_L: D12.1 H1.4 R116.2 U28.6 | length 18.1
  Top Layer w0.203: 84.47,74.92 85.296,74.094 H1.4@85.463,74.094
  Top Layer w0.254: U28.6@70.9,74.605 72.085,74.605 73.101,73.588 78.459,73.588 ccw(c78.459,73.737) 78.608,73.737 78.608,74.771 cw(c78.757,74.771) 78.757,74.92 79.72,74.92 ; R116.2@73.66,73.009 73.66,73.563 ; D12.1@79.74,73.98 79.736,73.98 79.72,73.965 79.72,74.92 ; 84.47,74.92 79.72,74.92
DEBUG_LED1: D1.1 U18.98 | length 37.4
  Top Layer w0.203: v3(12.751,72.029) v3@12.765,72.044
  Top Layer w0.254: v3@12.765,72.044 12.765,73.775 U18.98@12.78,73.79
  GND1 w0.254: v3(12.751,72.029) 15.565,74.844 19.152,78.43 38.631,78.43 42.865,82.665 v3(42.865,83.782)
DEBUG_LED1_SR: D13.1 U15.46 | length 8
  Top Layer w0.254: U15.46@46.195,77.035 46.195,77.764 46.195,78.956 49.215,81.976 D13.1@49.215,83.782
DEBUG_LED2: D2.1 U18.1 | length 40.6
  Top Layer w0.203: U18.1@10.03,72.04 10.972,72.04 11.972,71.04 v3(12.78,71.04)
  GND1 w0.254: v3(12.78,71.04) 16.584,74.844 19.283,77.543 39.338,77.543 44.135,82.34 v3(44.135,83.782)
DEBUG_LED2_SR: D14.1 U15.45 | length 8.3
  Top Layer w0.254: U15.45@46.695,77.035 46.695,77.764 46.695,78.301 50.485,82.091 D14.1@50.485,83.782
DEBUG_LED3: D3.1 U18.2 | length 42.3
  Top Layer w0.203: U18.2@10.03,71.54 10.861,71.54 11.945,70.456 13.196,70.456 v3(13.78,71.04)
  GND1 w0.254: v3(13.78,71.04) 17.584,74.844 19.313,76.573 39.905,76.573 45.405,82.073 v3(45.405,83.782)
DEBUG_LED3_SR: D15.1 U15.43 | length 8.4
  Top Layer w0.254: U15.43@47.695,77.035 47.695,77.764 47.695,78.191 51.755,82.251 D15.1@51.755,83.782
DEBUG_LED4: D4.1 U18.3 | length 44
  Top Layer w0.203: U18.3@10.03,71.04 10.039,71.031 10.795,71.031 11.802,70.024 v3(13.78,70.024)
  GND1 w0.254: v3(13.78,70.024) 13.78,70.04 18.584,74.844 19.353,75.613 40.625,75.613 46.675,81.663 v3(46.675,83.782)
DEBUG_LED4_SR: D16.1 U15.42 | length 8.7
  Top Layer w0.254: U15.42@48.195,77.035 48.195,77.504 53.025,82.334 D16.1@53.025,83.782
DEBUG_LED5: D5.1 U18.4 | length 46.1
  Top Layer w0.203: U18.4@10.075,70.495 10.756,70.495 12.211,69.04 v3(13.78,69.04)
  GND1 w0.254: v3(13.78,69.04) 18.98,74.24 26.584,74.24 29.479,74.24 29.568,74.151 30.193,74.151 30.282,74.24 32.471,74.24 32.478,74.233 32.983,74.233 32.99,74.24 33.83,74.24 34.122,74.532 41.119,74.532 43.066,76.479 44.351,77.764 47.945,81.358 v3(47.945,83.782)
DEBUG_UART_RX: D8.1 J4.3 U18.93 | length 14.1
  Top Layer w0.254: J4.3@5.838,77.5 7.433,75.906 14.955,75.906 cw(c14.955,75.581) 15.28,75.581 U18.93@15.28,73.79
  Bottom Layer w0.254: J4.3@5.838,77.5 7.847,77.5 7.871,77.525 D8.1@7.871,77.549
DEBUG_UART_TX: D7.1 J4.2 U18.68 | length 35.3
  Top Layer w0.203: v1(16.543,69.086) 16.543,69.004 16.856,68.691 16.856,68.684 17,68.54 U18.68@25.53,68.54
  Signal w0.203: J4.2@5.838,74.96 6.935,73.863 6.935,65.14 ccw(c7.229,65.14) 7.229,64.846 8.981,64.846 ccw(c8.981,65.195) 9.33,65.195 9.33,68.743 cw(c9.673,68.743) 9.673,69.086 v1(16.543,69.086)
  Bottom Layer w0.254: J4.2@5.832,74.93 5.862,74.96 D7.1@7.87,74.96
DONE: U18.65 U20.4 | length 67.1
  Top Layer w0.203: v1(23.78,67.063) 23.803,67.04 24.27,67.04 24.278,67.032 24.698,67.032 24.706,67.04 U18.65@25.53,67.04
  Top Layer w0.254: U20.4@68.465,79.822 70.924,79.822 71.203,79.544 v1(71.271,79.544)
  Signal w0.203: v1(23.78,67.063) 23.811,67.032 26.269,67.032 26.584,67.347 28.071,68.834 45.544,68.834 ccw(c45.544,69.179) 45.889,69.179 45.889,75.641 ccw(c45.095,75.641) 45.095,76.435 43.968,76.435 cw(c43.968,76.972) 43.431,76.972 43.431,77.641 cw(c43.905,77.641) 43.905,78.114 49.167,78.114 49.57,77.711 51.627,77.711 51.806,77.89 69.618,77.89 v1(71.271,79.544)
DONE_SR: U15.33 U17.4 | length 32.4
  Top Layer w0.203: U15.33@51.32,74.91 51.343,74.933 51.848,74.933 52.016,75.1 52.049,75.1
  Top Layer w0.254: 52.049,75.1 52.103,75.1 52.618,75.615 54.275,75.615 57.581,78.92 81.046,78.92 ccw(c81.046,79.039) 81.165,79.039 U17.4@81.165,79.822